# Altium PCB RfUsbAdapter.PcbDoc
Units mm, origin at the board's own origin, x right, y up, seen from the top; angles counter-clockwise.
Board outline 40 x 17 mm, 4 copper layers (TOP, GND, PWR, BOT), stack 0.777 mm thick; 29 components, 21 nets, 118 pads, 51 vias.
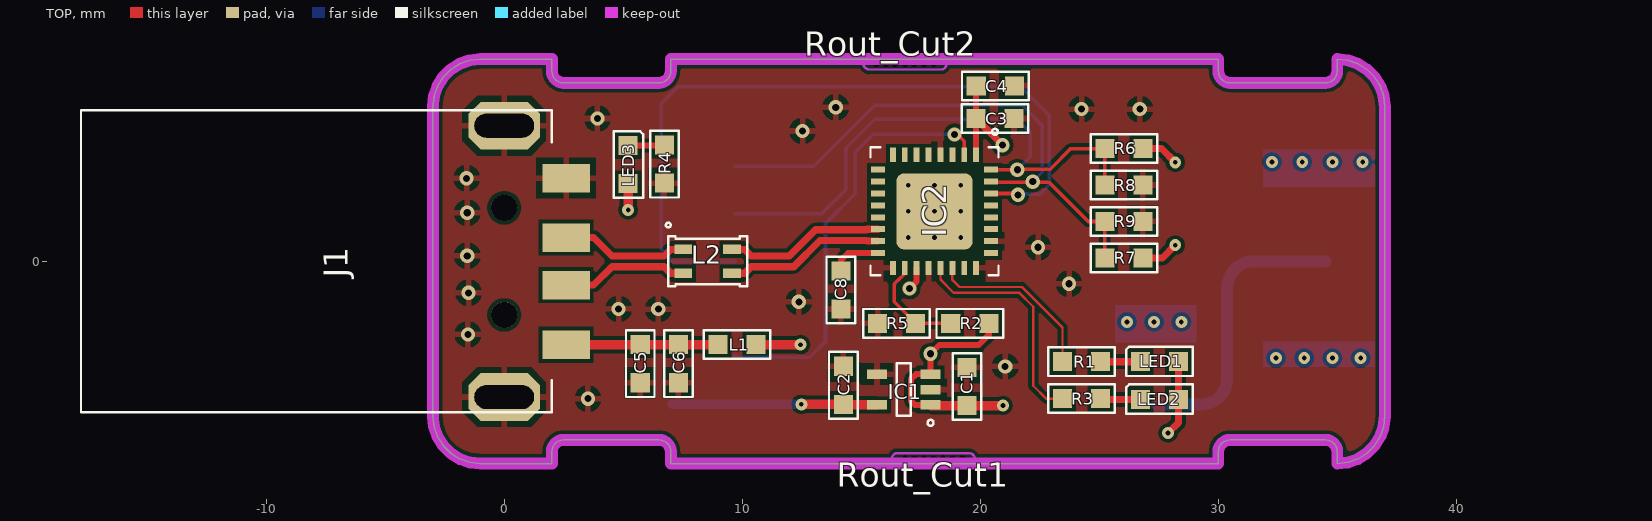
[diagram p0: TOP view]
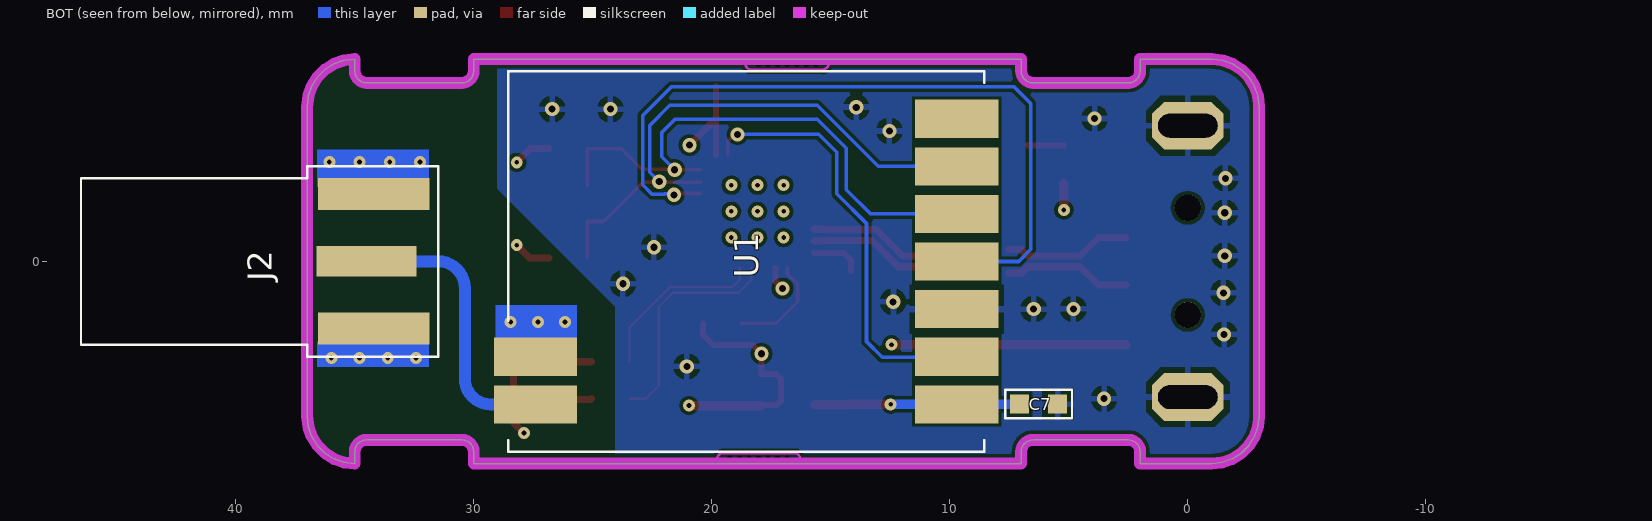
[diagram p1: BOT view, seen from below]
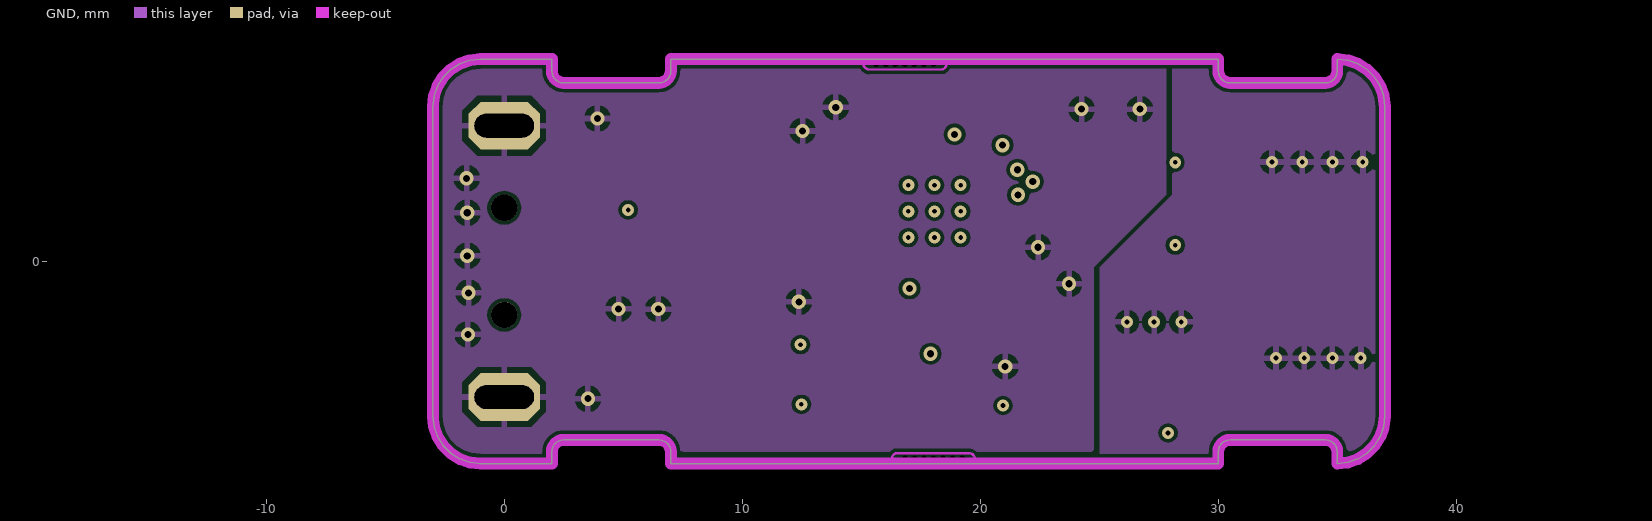
[diagram p2: GND]
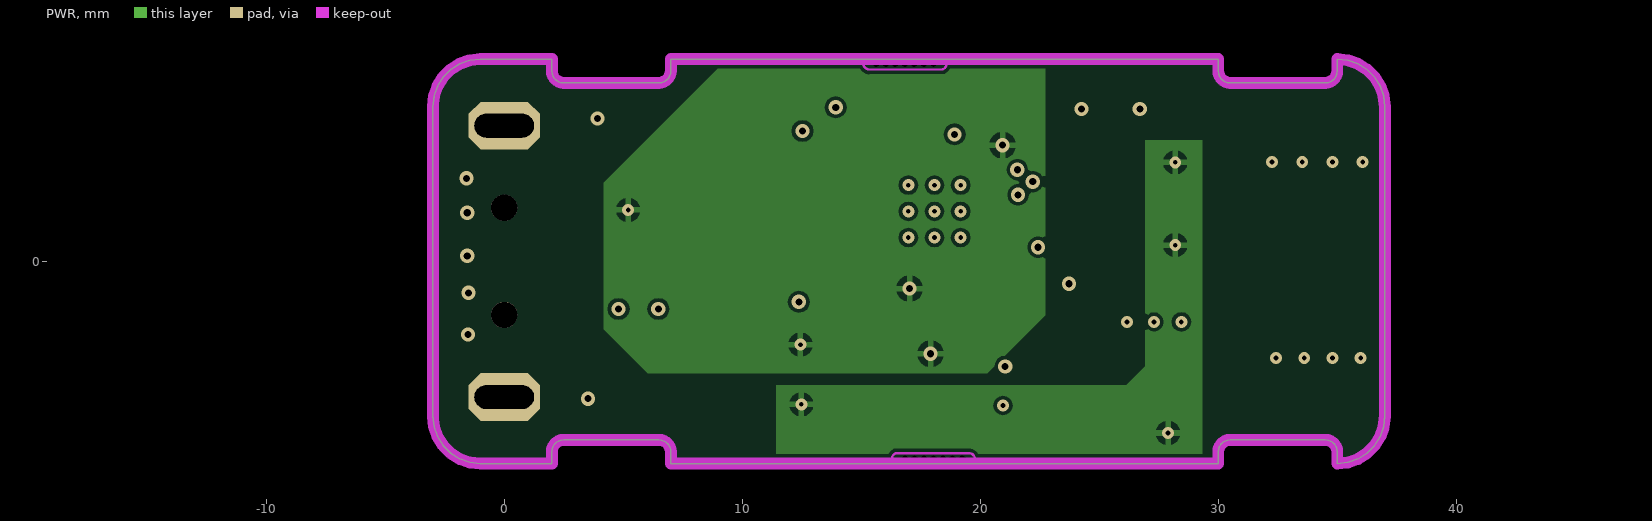
[diagram p3: PWR]

## Layer stack, top to bottom
Top Solder: solder mask 0.01, Solder Resist, Dk 3.5
TOP: signal copper 0.018
Dielectric 1: core 0.288, FR-4, Dk 4.8
GND: signal copper 0.036
Dielectric 3: prepreg 0.127, Dk 4.2
PWR: signal copper 0.036
Dielectric 2: core 0.254, Dk 4.2
BOT: signal copper 0.018
Bottom Solder: solder mask 0.01, Solder Resist, Dk 3.5

## Board outline
35,-8 35,-8.5 35.445,-8.45 35.868,-8.302 36.247,-8.064 36.564,-7.747 36.802,-7.368 36.95,-6.945 37,-6.5 37,6.5 36.95,6.945 36.802,7.368 36.564,7.747 36.247,8.064 35.868,8.302 35.445,8.45 35,8.5 35,8 34.987,7.889 34.95,7.783 34.891,7.688 34.812,7.609 34.717,7.55 34.611,7.513 34.5,7.5 30.5,7.5 30.389,7.513 30.283,7.55 30.188,7.609 30.109,7.688 30.05,7.783 30.013,7.889 30,8 30,8.5 7,8.5 7,8 6.987,7.889 6.95,7.783 6.891,7.688 6.812,7.609 6.717,7.55 6.611,7.513 6.5,7.5 2.5,7.5 2.389,7.513 2.283,7.55 2.188,7.609 2.109,7.688 2.05,7.783 2.013,7.889 2,8 2,8.5 -1,8.5 -1.445,8.45 -1.868,8.302 -2.247,8.064 -2.564,7.747 -2.802,7.368 -2.95,6.945 -3,6.5 -3,-6.5 -2.95,-6.945 -2.802,-7.368 -2.564,-7.747 -2.247,-8.064 -1.868,-8.302 -1.445,-8.45 -1,-8.5 2,-8.5 2,-8 2.013,-7.889 2.05,-7.783 2.109,-7.688 2.188,-7.609 2.283,-7.55 2.389,-7.513 2.5,-7.5 6.5,-7.5 6.611,-7.513 6.717,-7.55 6.812,-7.609 6.891,-7.688 6.95,-7.783 6.987,-7.889 7,-8 7,-8.5 30,-8.5 30,-8 30.013,-7.889 30.05,-7.783 30.109,-7.688 30.188,-7.609 30.283,-7.55 30.389,-7.513 30.5,-7.5 34.5,-7.5 34.611,-7.513 34.717,-7.55 34.812,-7.609 34.891,-7.688 34.95,-7.783 34.987,-7.889

## Design rules (kind name [scope] priority, off if disabled: settings)
Clearance [All] p1: gap=0.15
DiffPairsRouting [All] p1: maxlimit=0.15 minlimit=0.15 mostfreqgap=0.15 toplayer_minwidth=0.3 toplayer_maxwidth=0.3 toplayer_prefwidth=0.3 midlayer1_minwidth=0.3 midlayer1_maxwidth=0.3 midlayer1_prefwidth=0.3 midlayer2_minwidth=0.3 midlayer2_maxwidth=0.3 midlayer2_prefwidth=0.3 bottomlayer_minwidth=0.3 bottomlayer_maxwidth=0.3 bottomlayer_prefwidth=0.3 maxuncoupledlength=12.7
HoleSize [All] p1: absolutevalues=TRUE maxlimit=3 minlimit=0.025 maxpercent=80.000 minpercent=20.000
HoleToHoleClearance HoleToHoleClearance_1 [InComponent('Rout_Cut1')And InComponent('Rout_Cut2') And InComponent('Rout_Cut3')And InComponent('Rout_Cut4')] p1: gap=0.05 allowstackedmicrovias=TRUE
HoleToHoleClearance [All] p2: gap=0.2 allowstackedmicrovias=TRUE
MinimumSolderMaskSliver MinimumSolderMaskSliver_1 [InComponent('Rout_Cut1') or InComponent('Rout_Cut2') or InComponent('Rout_Cut3') or InComponent('Rout_Cut4') or InComponent('1')] p1: minsoldermaskwidth=0.001
MinimumSolderMaskSliver [All] p2: minsoldermaskwidth=0.1
PolygonConnect [All] p1: connectstyle=Relief reliefconductorwidth=0.254 reliefentries=4 polygonreliefangle="90 Angle" airgapwidth=0.254
RoutingVias [All] p1: holewidth=0.2 width=0.5 viastyle="Through Hole" minholewidth=0.2 minwidth=0.5 maxholewidth=0.711 maxwidth=1.27
SilkToSilkClearance [All] p1 off: silktosilkclearance=0.1
SilkToSolderMaskClearance [IsPad] p1 off: minsilkscreentomaskgap=0.1 clearancetoexposedcopper=TRUE
SolderMaskExpansion [All] p1: expansion=0.05
Width Width_1 [InComponent('?')] p1: maxlimit=0.254 minlimit=0.001 preferedwidth=0.254 midlayer1_minwidth=0.254 midlayer2_minwidth=0.254 minimp=50.000000 maximp=50.000000 favimp=50.000000
Width [All] p2: maxlimit=1 minlimit=0.1 preferedwidth=0.254 toplayer_maxwidth=0.3 toplayer_prefwidth=0.15 midlayer1_minwidth=0.254 midlayer2_minwidth=0.254 bottomlayer_maxwidth=0.3 bottomlayer_prefwidth=0.15 minimp=50.000000 maximp=50.000000 favimp=50.000000
24 further rules are at their usual default settings.

## Classes and differential pairs
differential pair USBD2: +USBD2_P -USBD2_N
differential pair USBD1: +USBD1_P -USBD1_N

## Components (designator, comment, footprint, x,y, rotation, side; value= is the part's Value field where it differs from the comment)
C1 "GRM188R61C105KA93D" C0603 19.443,-5.258 r90 top
C2 "GRM188R61C105KA93D" C0603 14.247,-5.207 r90 top
C3 "C0603C104J4RACTU" C0603 20.619,6.002 r0 top
C4 "GRM188R60J475ME19D" C0603 20.633,7.371 r0 top
C5 "C0603C104J4RACTU" C0603 5.715,-4.3 r270 top
C6 "GRM1857U1A103JA44D" C0603 7.315,-4.3 r270 top
C7 "GRM188R61C105KA93D" C0603 6.265,-6 r180 bottom
C8 "C0603C104J4RACTU" C0603 14.142,-1.202 r270 top
IC1 "TLV70033DCKR" SOT-353 16.787,-5.385 r180 top
IC2 "FT232RQ-REEL" QFN32-5x5 18.079,2.1 r270 top
J1 "0480372000" "USB TYPE A 2.0" 0,0 r270 top
J2 "SMA-J-P-H-ST-EM1" SMA-J-P-H-ST-EM1 34.5,0 r270 bottom
L1 "FBMH1608HM102-T" R0603 9.779,-3.5 r0 top
L2 "DLW21SN121HQ2L" IND_DLW21S_0805 8.55,0 r0 top
LED1 "LTST-C193KGKT-5A" LED0603-GREEN 27.528,-4.217 r180 top
LED2 "LTST-C193KRKT-5A" LED0603-RED 27.528,-5.804 r180 top
LED3 "LTST-C193KGKT-5A" LED0603-GREEN 5.207,4.064 r90 top
R1 "ERJ-3EKF3300V" R0603 24.257,-4.217 r0 top
R2 "ERJ-3EKF4701V" R0603 19.561,-2.603 r0 top
R3 "ERJ-3EKF3300V" R0603 24.257,-5.769 r0 top
R4 "ERJ-3EKF6200V" R0603 6.731,4.083 r270 top
R5 "ERJ-3EKF1002V" R0603 16.485,-2.603 r0 top
R6 "ERJ-3EKF1002V" R0603 26.035,4.739 r0 top
R7 "ERJ-3EKF1002V" R0603 26.035,0.144 r0 top
R8 "ERJ-3EKF1002V" R0603 26.035,3.207 r180 top
R9 "ERJ-3EKF1002V" R0603 26.035,1.676 r180 top
Rout_Cut1 "Rout_Cut" RoutCut 18.041,-8.509 r180 top
Rout_Cut2 "Rout_Cut" RoutCut 16.829,8.509 r0 top
U1 "HM-TRP" HM-TRP 9.707,-6.007 r90 bottom

## Footprints (in the part's own frame and the unit in brackets; to place one, negate y for a bottom-side part, rotate by r counter-clockwise, add the part's x,y. Pads: shape width x height; smd on the part's side, far side on the other; paste and mask are expansions set on the pad)
C0603 [mm]
  rect 0.8x0.8 smd: 1(-0.8,0) 2(0.8,0)
  silkscreen extent -1.4,-0.6 1.4,0.6, body extent -0.8,-0.4 0.8,0.4, height 0.3
HM-TRP [mm]
  rect 1.6x3.5 smd: 1(0,0) 2(2,0) 3(4,0) 4(6,0) 5(8,0) 6(10,0) 7(12,0) 8(2,17.7) 9(0,17.7)
  silkscreen extent -2,-1.15 14,18.85, body extent -2,-1.15 14,18.85, height 2
IND_DLW21S_0805 [mm]
  rect 0.755x0.4 smd: 1(-1.027,0.5) 2(1.027,0.5) 3(1.027,-0.5) 4(-1.027,-0.5)
  silkscreen extent -1.76,-1.05 1.66,1.62, body extent -1.15,-0.7 1.15,0.7, height 1.4
LED0603-GREEN [mm] "GREEN"
  rect 0.8x0.8 smd: 1(-0.8,0) 2(0.8,0)
  silkscreen extent -1.4,-0.63 1.4,0.6, body extent -0.85,-0.45 0.85,0.45, height 0.9
LED0603-RED [mm] "RED"
  rect 0.8x0.8 smd: 1(-0.8,0) 2(0.8,0)
  silkscreen extent -1.4,-0.64 1.4,0.6, body extent -0.85,-0.45 0.85,0.45, height 0.9
QFN32-5x5 [mm]
  rect 0.6x0.25 smd: 1(-2.375,1.75) 2(-2.375,1.25) 3(-2.375,0.75) 4(-2.375,0.25) 5(-2.375,-0.25) 6(-2.375,-0.75) 7(-2.375,-1.25) 8(-2.375,-1.75) 17(2.375,-1.75) 18(2.375,-1.25) 19(2.375,-0.75) 20(2.375,-0.25) 21(2.375,0.25) 22(2.375,0.75) 23(2.375,1.25) 24(2.375,1.75)
  rect 0.25x0.6 smd: 9(-1.75,-2.375) 10(-1.25,-2.375) 11(-0.75,-2.375) 12(-0.25,-2.375) 13(0.25,-2.375) 14(0.75,-2.375) 15(1.25,-2.375) 16(1.75,-2.375) 25(1.75,2.375) 26(1.25,2.375) 27(0.75,2.375) 28(0.25,2.375) 29(-0.25,2.375) 30(-0.75,2.375) 31(-1.25,2.375) 32(-1.75,2.375)
  rrect20% 3.2x3.2 smd: 33(0,0)
  silkscreen extent -3.46,-2.69 2.69,2.69, body extent -2.5,-2.5 2.5,2.5, height 0.85
R0603 [mm]
  rect 0.8x0.8 smd: 1(-0.8,0) 2(0.8,0)
  silkscreen extent -1.4,-0.6 1.4,0.6, body extent -0.8,-0.42 0.8,0.43, height 0.45
RoutCut [mm]
  round 0 hole 0.3 unplated: 1(-1.2,-0.2) 1(-0.8,-0.2) 1(-0.4,-0.2) 1(0,-0.2) 1(0.4,-0.2) 1(1.2,-0.2) 2(0.8,-0.2)
  Keep-Out Layer lines w0.1: 1.75,-0.225 cw(c1.525,-0.225) 1.525,-0.45 -1.475,-0.45 cw(c-1.475,-0.175) -1.75,-0.175
SMA-J-P-H-ST-EM1 [mm]
  rect 1.27x4.2 smd: 1(0,0)
  rect 1.35x4.7 smd: 2(-2.825,0.3) 2(2.825,0.3)
  silkscreen extent -4,-12 4,3, body extent -3.17,-11.72 3.18,1.61, height 3.77
SOT-353 [mm] "SOT23, 5-Leads, Body 2,00x2,10mm, Pitch 0,65mm, IPC Medium Density"
  rect 0.85x0.4 smd: 1(-1.125,0.65) 2(-1.125,0) 3(-1.125,-0.65) 4(1.125,-0.65) 5(1.125,0.65)
  silkscreen extent -1.25,-1.1 0.3,1.52, body extent -1.15,-1.05 1.15,1.05, height 1
"USB TYPE A 2.0" [mm]
  rect 1.2x2 smd: 1(3.5,2.6) 2(1,2.6) 3(-1,2.6) 4(-3.5,2.6)
  oct 2x3 hole 1 slot 2.5 at 90 deg: S1(5.7,0) S2(-5.7,0)
  round 1.1 hole 1.1 unplated: ""(-2.25,0) ""(2.25,0)
  silkscreen extent -6.35,-17.78 6.35,2, body extent -6.35,-17.78 6.35,3.5, height 3.05

## Part data
C1 C2 C7: "CAP CER 1UF 16V 10% X5R 0603"
C3 C5 C8: "100nF 16V 5% X7R 0603"
C4: "CAP CER 4.7UF 6.3V X5R 0603"
C6: "CAP CER 10NF 10V 5% U2J 0603"
IC1: "IC REG LDO 3.3V 0.2A SC70-5"
IC2: "IC USB FS SERIAL UART 32-QFN"
J1: "CONN PLUG USB 4POS R/A SMD"
J2: "CONN SMA JACK 50 OHM EDGE MNT"
L1: "FERRITE BEAD 1 KOHM 0603 1LN"
L2: "CHOKE COIL COMMON MODE 280MA SMD"
LED1 LED3: "LED GREEN CLEAR 0603 SMD"
LED2: "LED RED CLEAR 0603 SMD"
R1 R3: "RES SMD 330 OHM 1% 1/10W 0603"
R2: "RES SMD 4.7K OHM 1% 1/10W 0603"
R4: "620 OHM 1% 1/10W 0603"
R5 R6 R7 R8 R9: "10K OHM 1% 1/10W 0603"
Rout_Cut1 Rout_Cut2: "1.6mm"

## Via types
v1: diameter 0.5, hole 0.2, TOP to BOT, 27 vias
v2: diameter 0.6, hole 0.3, TOP to BOT, 24 vias

## Nets (pads, with @x,y where several pads share a name; then routed paths per layer and width w, separated by ;. In a path a pad name is that pad's centre, name@x,y a point inside that pad or via, vN(x,y) a via of type N, cw(c..) or ccw(c..) an arc to the next point about the centre after c; other vN are vias at no path point)
+3V3: C2.1 C7.1 IC1.5 LED1.1 LED2.1 R6.2 R7.2 U1.1 | length 15
  TOP w0.254: C2.1 C2.1@14.275,-6.035
  TOP w0.3: R7.2 27.657,0.144 v1(28.194,0.681) ; R6.2 27.615,4.739 v1(28.194,4.16) ; v1(27.894,-7.212) 28.328,-6.778 LED2.1 LED1.1
  TOP w0.4: v1(12.484,-6.007) C2.1 ; C2.1@14.275,-6.035 IC1.5
  BOT w0.254: U1.1@9.7,-6 U1.1
  BOT w0.4: C7.1 U1.1@9.7,-6 ; U1.1 v1(12.484,-6.007)
+5: C1.1 C3.1 C4.1 IC1.1 IC1.3 IC2.1 IC2.19 L1.2 LED3.1 R2.2 | length 18.3
  TOP w0.01: C4.1@19.819,7.357 C4.1
  TOP w0.254: v2(17.029,-1.143) 17.329,-0.844 IC2.19 ; IC1.1@17.935,-6.058 IC1.1 17.264,-6.035 17.087,-5.858 17.087,-4.953 17.306,-4.735 IC1.3 v2(17.912,-3.881) 18.279,-3.514 19.936,-3.514 20.361,-3.089 R2.2 ; C3.1 C4.1@19.819,7.357 ; IC2.1 C3.1@19.829,5.992
  TOP w0.3: C3.1 19.829,5.992 v2(20.937,4.883)
  TOP w0.4: v1(5.207,2.159) LED3.1 ; L1.2 v1(12.446,-3.5) ; IC1.1@17.935,-6.058 C1.1 v1(20.955,-6.058)
FT232_DTR: IC2.31 R7.1 R9.2 U1.6 | length 23.8
  TOP w0.15: IC2.31 20.454,3.325 22.89,3.325 24.54,1.676 R9.2 R7.1
  BOT w0.15: U1.6 13.01,3.993 15.569,6.552 21.759,6.552 22.606,5.705 22.606,3.747 v2(22.209,3.35)
FT232_RTS: IC2.32 R6.1 R8.2 U1.5 | length 23.8
  TOP w0.15: IC2.32 v2(21.56,3.85) 21.585,3.875 22.942,3.875 23.805,4.739 R6.1 R8.2
  BOT w0.15: U1.5 13.332,1.993 14.351,3.012 14.351,4.746 15.574,5.969 21.545,5.969 22.098,5.416 22.098,4.388 v2(21.56,3.85)
FT232_RX: IC2.2 U1.2 | length 18.1
  TOP w0.15: v2@19.043,5.334 19.329,5.048 IC2.2
  TOP w0.254: v2(18.923,5.334) v2@19.043,5.334
  BOT w0.15: U1.2@9.707,-4.027 12.842,-4.027 13.499,-3.37 13.499,1.589 14.755,2.845 14.755,4.579 15.51,5.334 v2(18.923,5.334)
  BOT w0.254: U1.2@9.707,-4.027 U1.2
FT232_TX: IC2.30 U1.4 | length 32.2
  TOP w0.15: IC2.30 21.534,2.85 v2(21.59,2.794)
  BOT w0.15: U1.4 7.108,-0.007 6.594,0.507 6.594,6.63 7.291,7.327 21.705,7.327 22.906,6.126 22.906,3.218 22.513,2.825 21.992,2.825 21.978,2.839 21.545,2.839 v2(21.59,2.794)
GND: C1.2 C2.2 C3.2 C4.2 C5.2 C6.2 C7.2 C8.2 IC1.2 IC1.4 IC2.4 IC2.17 IC2.20 IC2.24 IC2.26 J1.4 J1.S1 J1.S2 R4.2 R5.1 R8.1 R9.1 U1.3
  other v2: 3.517,-5.769 21.048,-4.416 -1.525,-3.072 4.805,-1.999 6.477,-2.005 12.38,-1.701 -1.498,-1.325 23.731,-0.94 -1.554,0.23 22.429,0.592 -1.554,2.039 -1.581,3.488 12.535,5.477 3.916,6.002 24.257,6.397 26.708,6.397 13.927,6.471
GND_ANT: J2.2 U1.8
  other v1: 32.427,-4.064 33.613,-4.064 34.798,-4.064 35.983,-4.064 26.162,-2.545 27.305,-2.545 28.448,-2.545 32.258,4.174 33.528,4.174 34.798,4.174 36.068,4.174
NetC5_1: C5.1 C6.1 J1.1 L1.1 | length 6.4
  TOP w0.4: J1.1 C5.1 C6.1 L1.1
NetC8_1: C8.1 IC2.16 | length 2.1
  TOP w0.254: C8.1 14.142,0.045 14.447,0.35 IC2.16
NetIC2_18: IC2.18 R2.1 R5.2 | length 4.4
  TOP w0.15: IC2.18 16.829,-0.518 16.547,-0.8 16.537,-0.8 16.383,-0.954 16.383,-1.701 R5.2 R2.1
NetIC2_21: IC2.21 R3.1 | length 9.6
  TOP w0.1: IC2.21 18.329,-0.766 18.889,-1.326 21.646,-1.326 22.225,-1.905 22.225,-5.227 22.767,-5.769 R3.1
NetIC2_22: IC2.22 R1.1 | length 7.4
  TOP w0.1: IC2.22 18.829,-0.779 19.126,-1.076 21.75,-1.076 23.457,-2.783 R1.1
NetJ2_1: J2.1 U1.9 | length 12.2
  BOT w0.5: U1.9 29.297,-6.007 ccw(c29.297,-4.93) 30.374,-4.93 30.374,-1.126 cw(c31.5,-1.126) 31.5,0 J2.1
NetLED1_2: LED1.2 R1.2 | length 1.7
  TOP w0.3: R1.2 LED1.2
NetLED2_2: LED2.2 R3.2 | length 1.7
  TOP w0.3: R3.2 25.092,-5.804 LED2.2
NetLED3_2: LED3.2 R4.1 | length 1.5
  TOP w0.254: LED3.2 6.712,4.864 R4.1
USBD1_N: J1.2 L2.4 | length 5.4
  TOP w0.3: J1.2 3.75,-1 4.525,-0.225 6.72,-0.225 6.995,-0.5 L2.4
USBD1_P: J1.3 L2.1 | length 5.4
  TOP w0.3: J1.3 3.75,1 4.525,0.225 6.72,0.225 6.995,0.5 L2.1
USBD2_N: IC2.15 L2.3 | length 6.7
  TOP w0.3: L2.3 10.105,-0.5 10.38,-0.225 12.163,-0.225 13.263,0.875 15.229,0.875 15.254,0.85 IC2.15
USBD2_P: IC2.14 L2.2 | length 6.7
  TOP w0.3: L2.2 10.105,0.5 10.38,0.225 11.976,0.225 13.076,1.325 15.229,1.325 15.254,1.35 IC2.14
pads on no net: IC2.3 IC2.5 IC2.6 IC2.7 IC2.8 IC2.9 IC2.10 IC2.11 IC2.12 IC2.13 IC2.23 IC2.25 IC2.27 IC2.28 IC2.29 IC2.33 J1. Rout_Cut1.1 Rout_Cut1.2 Rout_Cut2.1 Rout_Cut2.2 U1.7
copper on no net:
  other v1: 16.979,1 18.079,1 19.179,1 16.979,2.1 18.079,2.1 19.179,2.1 16.979,3.2 18.079,3.2 19.179,3.2

## Polygon pours and split planes (outlines as drawn)
GND on TOP "TOP-GND" (solid, remove dead copper, pour order 4): 35,-8 35,-8.5 35.445,-8.45 35.868,-8.302 36.247,-8.064 36.564,-7.747 36.802,-7.368 36.95,-6.945 37,-6.5 37,6.5 36.95,6.945 36.802,7.368 36.564,7.747 36.247,8.064 35.868,8.302 35.445,8.45 35,8.5 35,8 34.987,7.889 34.95,7.783 34.891,7.688 34.812,7.609 34.717,7.55 34.611,7.513 34.5,7.5 30.5,7.5 30.389,7.513 30.283,7.55 30.188,7.609 30.109,7.688 30.05,7.783 30.013,7.889 30,8 30,8.5 7,8.5 7,8 6.987,7.889 6.95,7.783 6.891,7.688 6.812,7.609 6.717,7.55 6.611,7.513 6.5,7.5 2.5,7.5 2.389,7.513 2.283,7.55 2.188,7.609 2.109,7.688 2.05,7.783 2.013,7.889 2,8 2,8.5 -1,8.5 -1.445,8.45 -1.868,8.302 -2.247,8.064 -2.564,7.747 -2.802,7.368 -2.95,6.945 -3,6.5 -3,-6.5 -2.95,-6.945 -2.802,-7.368 -2.564,-7.747 -2.247,-8.064 -1.868,-8.302 -1.445,-8.45 -1,-8.5 2,-8.5 2,-8 2.013,-7.889 2.05,-7.783 2.109,-7.688 2.188,-7.609 2.283,-7.55 2.389,-7.513 2.5,-7.5 6.5,-7.5 6.611,-7.513 6.717,-7.55 6.812,-7.609 6.891,-7.688 6.95,-7.783 6.987,-7.889 7,-8 7,-8.5 30,-8.5 30,-8 30.013,-7.889 30.05,-7.783 30.109,-7.688 30.188,-7.609 30.283,-7.55 30.389,-7.513 30.5,-7.5 34.5,-7.5 34.611,-7.513 34.717,-7.55 34.812,-7.609 34.891,-7.688 34.95,-7.783 34.987,-7.889
GND on BOT "BOT-GND" (solid, remove dead copper, pour order 7): 24.059,8.537 6.893,8.578 6.893,8.078 6.88,7.967 6.843,7.861 6.784,7.766 6.705,7.687 6.61,7.628 6.504,7.591 6.393,7.578 2.393,7.578 2.282,7.591 2.176,7.628 2.081,7.687 2.002,7.766 1.943,7.861 1.906,7.967 1.893,8.078 1.893,8.578 -1.107,8.578 -1.552,8.528 -1.975,8.38 -2.354,8.142 -2.671,7.825 -2.909,7.446 -3.057,7.023 -3.107,6.578 -3.107,-6.422 -3.057,-6.867 -2.909,-7.29 -2.671,-7.669 -2.354,-7.986 -1.975,-8.224 -1.552,-8.372 -1.107,-8.422 1.893,-8.422 1.893,-7.922 1.906,-7.811 1.943,-7.705 2.002,-7.61 2.081,-7.531 2.176,-7.471 2.282,-7.434 2.393,-7.422 6.393,-7.422 6.504,-7.434 6.61,-7.471 6.705,-7.531 6.784,-7.61 6.843,-7.705 6.88,-7.811 6.893,-7.922 6.893,-8.422 24.059,-8.422 24.059,-1.91 29.012,3.043 29.012,8.525
+3V3 on PWR "Top Layer-No Net" (solid, pour order 9): 26.924,5.08 28.956,5.08 29.337,5.08 29.337,4.699 29.337,-7.112 29.337,-8.5 27.949,-8.5 12.437,-8.5 11.43,-8.5 11.43,-7.493 11.43,-5.207 26.133,-5.207 26.924,-4.416
+5 on PWR "Top Layer-No Net" (solid, pour order 11): 22.733,8.5 9.389,8.5 4.191,3.302 4.191,-2.856 6.034,-4.699 19.304,-4.699 20.291,-4.699 22.733,-2.257 22.733,8.5
GND_ANT on GND "Top Layer-No Net" (solid, pour order 13): 28.067,8.25 28.067,2.794 25.273,0 25.019,-0.254 25.019,-8.302 29.966,-8.302 30.013,-7.889 30.332,-7.519 34.611,-7.513 34.981,-7.832 35,-8.5 35.7,-8.361 36.387,-7.783 37,-6.5 37,6.5 36.887,7.124 36.475,7.889 35.61,8.111 35.145,8.035 34.812,7.124 31.312,7.124 30.283,7.55 29.75,8.25
GND on GND "Top Layer-No Net" (solid, pour order 15): 27.813,8.092 27.813,2.794 24.765,-0.254 24.765,-8.007 7.099,-8 6.717,-7.55 2.283,-7.55 2.068,-7.729 2,-8.5 -1.673,-8.424 -2.405,-7.905 -2.802,-7.509 -2.802,7.037 -2.286,7.609 -1.524,8.128 1.66,8.138 2.283,7.266 6.266,7.266 7.053,7.368 7.227,8.128

## Keep-outs
Keep-Out Layer:
  the board outline again, w0.5

## Other copper
BOT:
  rectangle net GND_ANT: 25.654,-3.415 29.083,-1.835
  rectangle net GND_ANT: 31.877,-4.445 36.576,-3.37
  rectangle net GND_ANT: 31.877,3.118 36.576,4.699

## Silkscreen, mask and mechanical layers (free items; w line width, h text height)
Top Solder:
  text "TOP" at 32.258,5.348 h0.5 r90
  text "VER .VER REV .REV" at 31,3.429 h0.7 r90
  text ".ProjectTitle" at 30.276,0.875 h1 r90
  text ".Project" at 31.115,0.85 h1 r90
  text "BUDER ENGINEERING" at 29.542,-2.302 h1.2 r90
Bottom Solder:
  text "BOT" at 32.258,6.656 h0.5 r90
Mechanical 7:
  lines w2: 15.329,9.5 7,9.5 ; 16.541,-9.5 7,-9.5 ; 18.354,9.5 30,9.5 ; 19.634,-9.5 30,-9.5 ; -4,-6.5 ccw(c-3,-6.5) -3.994,-6.612 ; -4,-6.5 ccw(c-3,-6.5) -3.994,-6.612 ; -4,-6.5 -4,6.5 ; -4,6.5 cw(c-3,6.5) -3.994,6.612 ; -4,6.5 cw(c-3,6.5) -3.994,6.612 ; -3.994,-6.612 -3.944,-7.057 ; -3.994,6.612 -3.944,7.057 ; -3.944,-7.057 ccw(c-2.95,-6.945) -3.894,-7.275 ; -3.944,-7.057 ccw(c-2.95,-6.945) -3.894,-7.276 ; -3.944,7.057 cw(c-2.95,6.945) -3.894,7.276 ; -3.944,7.057 cw(c-2.95,6.945) -3.894,7.275 ; -3.894,-7.275 -3.894,-7.276 ; -3.894,-7.276 -3.746,-7.697 ; -3.894,7.276 -3.746,7.697 ; -3.894,7.275 -3.894,7.276 ; -3.746,7.697 cw(c-2.802,7.368) -3.649,7.9 ; -3.746,7.697 -3.746,7.698 cw(c-2.802,7.368) -3.649,7.9 ; -3.746,-7.697 ccw(c-2.802,-7.368) -3.649,-7.9 ; -3.746,-7.698 ccw(c-2.802,-7.368) -3.649,-7.9 ; -3.746,-7.697 -3.746,-7.698 ; -3.649,-7.9 -3.41,-8.279 ; -3.649,7.9 -3.41,8.279 ; -3.41,-8.279 ccw(c-2.564,-7.747) -3.271,-8.454 ; -3.41,-8.279 ccw(c-2.564,-7.747) -3.27,-8.455 ; -3.41,8.279 cw(c-2.564,7.747) -3.271,8.454 ; -3.41,8.279 cw(c-2.564,7.747) -3.271,8.454 ; -3.271,-8.454 -3.27,-8.455 ; -3.27,-8.455 -2.955,-8.77 ; -3.271,8.454 -2.954,8.771 ; -2.955,-8.77 ccw(c-2.247,-8.064) -2.779,-8.91 ; -2.955,-8.77 -2.954,-8.771 ccw(c-2.247,-8.064) -2.779,-8.91 ; -2.954,8.771 cw(c-2.247,8.064) -2.779,8.91 ; -2.954,8.771 cw(c-2.247,8.064) -2.779,8.91 ; -2.779,-8.91 -2.4,-9.149 ; -2.779,8.91 -2.4,9.149 ; -2.4,-9.149 ccw(c-1.868,-8.302) -2.198,-9.246 -2.197,-9.246 ; -2.4,-9.149 ccw(c-1.868,-8.302) -2.197,-9.246 ; -2.4,9.149 cw(c-1.868,8.302) -2.198,9.246 ; -2.4,9.149 cw(c-1.868,8.302) -2.198,9.246 ; -2.198,9.246 -1.775,9.394 ; -2.197,-9.246 -1.776,-9.394 ; -1.775,-9.394 ccw(c-1.445,-8.45) -1.557,-9.444 ; -1.776,-9.394 ccw(c-1.445,-8.45) -1.557,-9.444 ; -1.776,-9.394 -1.775,-9.394 ; -1.775,9.394 cw(c-1.445,8.45) -1.557,9.444 ; -1.775,9.394 cw(c-1.445,8.45) -1.557,9.444 ; -1.557,-9.444 -1.112,-9.494 ; -1.557,9.444 -1.112,9.494 ; -1.112,-9.494 ccw(c-1,-8.5) -1,-9.5 ; -1.112,-9.494 ccw(c-1,-8.5) -1,-9.5 ; -1.112,9.494 cw(c-1,8.5) -1,9.5 ; -1.112,9.494 cw(c-1,8.5) -1,9.5 ; -1,-9.5 2,-9.5 ; -1,9.5 2,9.5 ; 2,-9.5 ccw(c2,-8.5) 3,-8.5 ; 2,-9.5 ccw(c2,-8.5) 3,-8.5 ; 2,9.5 cw(c2,8.5) 3,8.5 ; 2,9.5 cw(c2,8.5) 3,8.5 ; 3,-8.5 6,-8.5 ; 3,8.5 ccw(c2,8.5) 3,8.5 ; 3,8.5 ccw(c2,8.5) 3,8.5 ; 3,8.5 6,8.5 ; 6,-8.5 ccw(c7,-8.5) 7,-9.5 ; 6,-8.5 ccw(c7,-8.5) 7,-9.5 ; 6,8.5 ccw(c7,8.5) 6,8.5 ; 6,8.5 cw(c7,8.5) 7,9.5 ; 6,8.5 ccw(c7,8.5) 6,8.5 ; 6,8.5 cw(c7,8.5) 7,9.5 ; 30,-9.5 ccw(c30,-8.5) 31,-8.5 ; 30,-9.5 ccw(c30,-8.5) 31,-8.5 ; 30,9.5 cw(c30,8.5) 31,8.5 ; 30,9.5 cw(c30,8.5) 31,8.5 ; 31,-8.5 34,-8.5 ; 31,8.5 34,8.5 ; 34,-8.5 ccw(c35,-8.5) 35.112,-9.494 ; 34,-8.5 ccw(c35,-8.5) 35.112,-9.494 ; 34,8.5 cw(c35,8.5) 35.112,9.494 ; 34,8.5 cw(c35,8.5) 35.112,9.494 ; 35.112,-9.494 35.557,-9.444 ; 35.112,9.494 35.557,9.444 ; 35.557,-9.444 ccw(c35.445,-8.45) 35.776,-9.394 ; 35.557,-9.444 ccw(c35.445,-8.45) 35.775,-9.394 ; 35.557,9.444 cw(c35.445,8.45) 35.775,9.394 ; 35.557,9.444 cw(c35.445,8.45) 35.775,9.394 ; 35.776,-9.394 36.198,-9.246 ; 35.775,-9.394 35.776,-9.394 ; 35.775,9.394 36.198,9.246 ; 36.198,-9.246 ccw(c35.868,-8.302) 36.4,-9.149 36.401,-9.148 ; 36.198,-9.246 36.198,-9.246 ccw(c35.868,-8.302) 36.401,-9.148 ; 36.198,9.246 cw(c35.868,8.302) 36.4,9.149 ; 36.198,9.246 cw(c35.868,8.302) 36.4,9.149 ; 36.4,9.149 36.779,8.91 ; 36.401,-9.148 36.778,-8.911 ; 36.778,-8.911 ccw(c36.247,-8.064) 36.954,-8.771 36.955,-8.77 ; 36.778,-8.911 36.779,-8.91 ccw(c36.247,-8.064) 36.955,-8.77 ; 36.779,8.91 cw(c36.247,8.064) 36.955,8.77 ; 36.779,8.91 cw(c36.247,8.064) 36.954,8.771 36.955,8.77 ; 36.955,-8.77 37.27,-8.455 ; 36.955,8.77 37.27,8.455 ; 37.27,-8.455 ccw(c36.564,-7.747) 37.41,-8.279 ; 37.271,-8.454 ccw(c36.564,-7.747) 37.41,-8.279 ; 37.27,-8.455 37.271,-8.454 ; 37.271,8.454 cw(c36.564,7.747) 37.41,8.279 ; 37.27,8.455 cw(c36.564,7.747) 37.41,8.279 ; 37.27,8.455 37.271,8.454 ; 37.41,-8.279 37.649,-7.9 ; 37.41,8.279 37.649,7.9 ; 37.649,-7.9 ccw(c36.802,-7.368) 37.746,-7.698 ; 37.649,-7.9 ccw(c36.802,-7.368) 37.746,-7.697 ; 37.649,7.9 cw(c36.802,7.368) 37.746,7.698 ; 37.649,7.9 cw(c36.802,7.368) 37.746,7.698 ; 37.746,-7.697 37.894,-7.276 ; 37.746,-7.698 37.746,-7.697 ; 37.746,7.698 37.746,7.698 ; 37.746,7.698 37.894,7.276 ; 37.894,-7.275 ccw(c36.95,-6.945) 37.944,-7.057 ; 37.894,-7.276 ccw(c36.95,-6.945) 37.944,-7.057 ; 37.894,-7.276 37.894,-7.275 ; 37.894,7.276 cw(c36.95,6.945) 37.944,7.057 ; 37.894,7.275 cw(c36.95,6.945) 37.944,7.057 ; 37.894,7.276 37.894,7.275 ; 37.944,-7.057 37.994,-6.612 ; 37.944,7.057 37.994,6.612 ; 37.994,-6.612 ccw(c37,-6.5) 38,-6.5 ; 37.994,-6.612 ccw(c37,-6.5) 38,-6.5 ; 37.994,6.612 cw(c37,6.5) 38,6.5 ; 37.994,6.612 cw(c37,6.5) 38,6.5 ; 38,-6.5 38,6.5